# Altium PCB VOU_SOM_CV_V0.0.1.PcbDoc (part 1 of 4)
Units mm, origin at the board's own origin, x right, y up, seen from the top; angles counter-clockwise.
Board outline 61 x 95 mm, 6 copper layers (Top Layer, PWR1, INT1, INT2, PWR2, Bottom Layer), stack 1.205 mm thick; 473 components, 642 nets, 2975 pads, 831 vias.
Unrouted connection lines stored in the file: 1493.
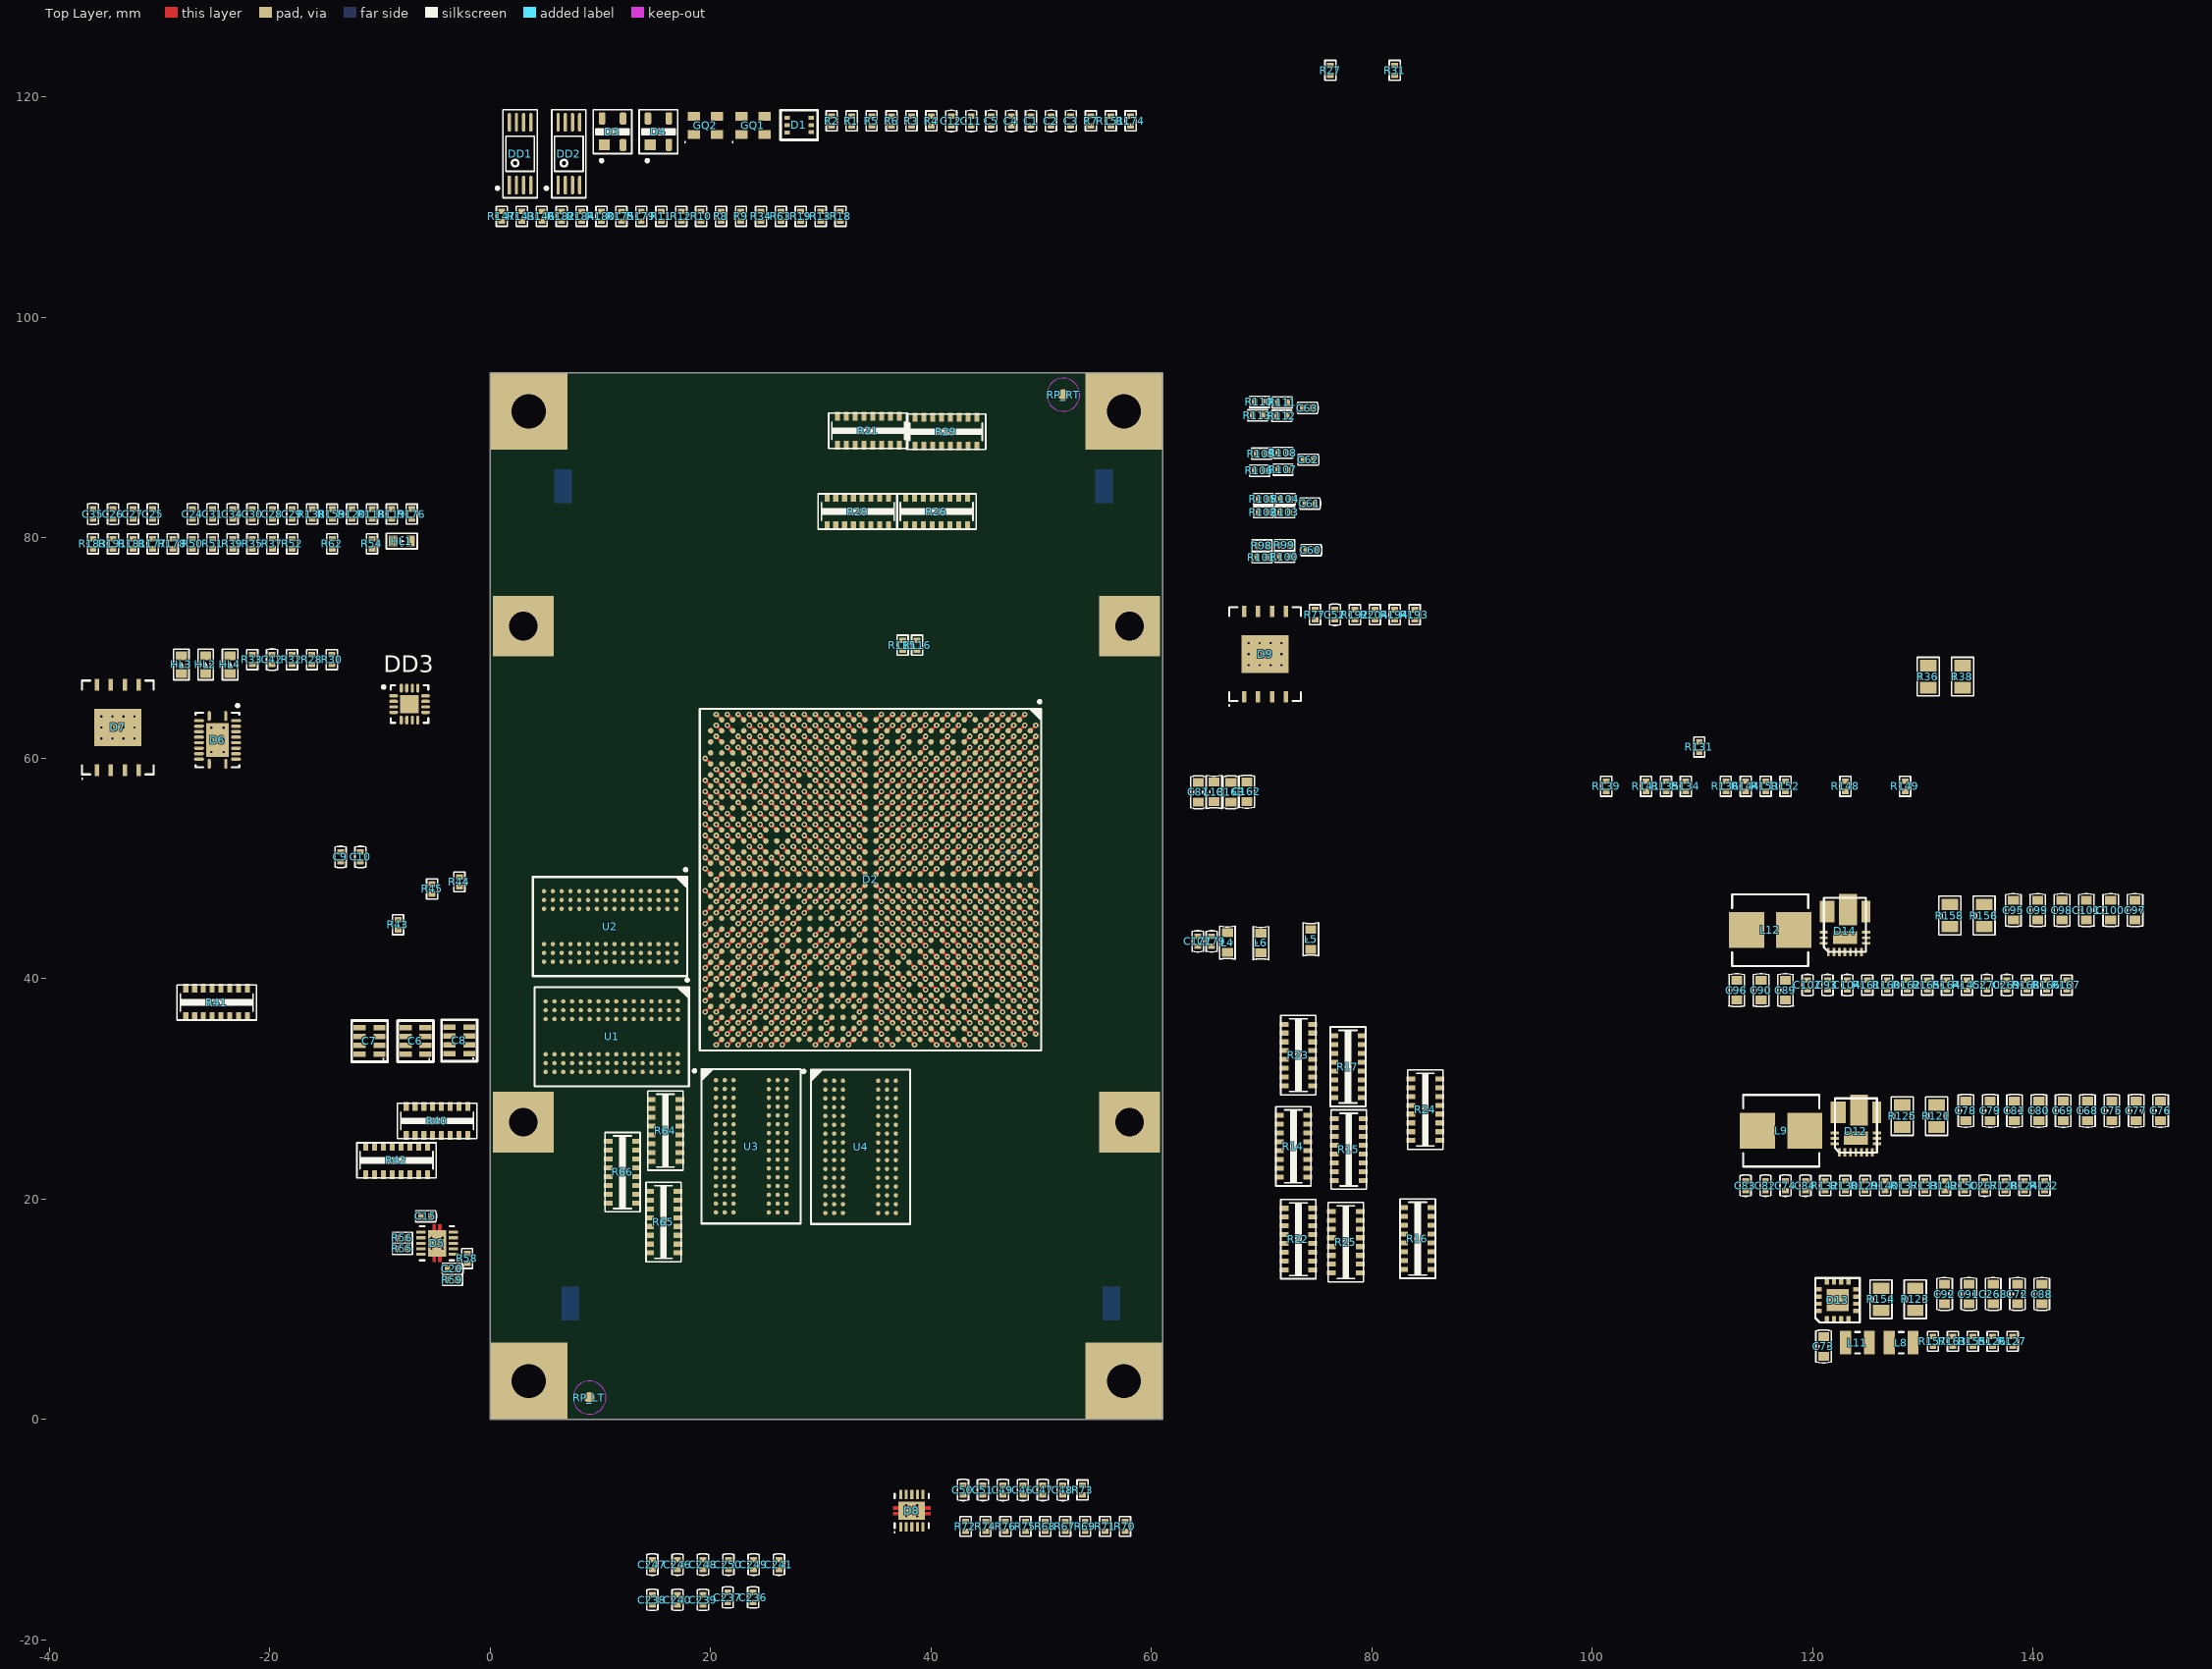
[diagram p0: Top Layer view]
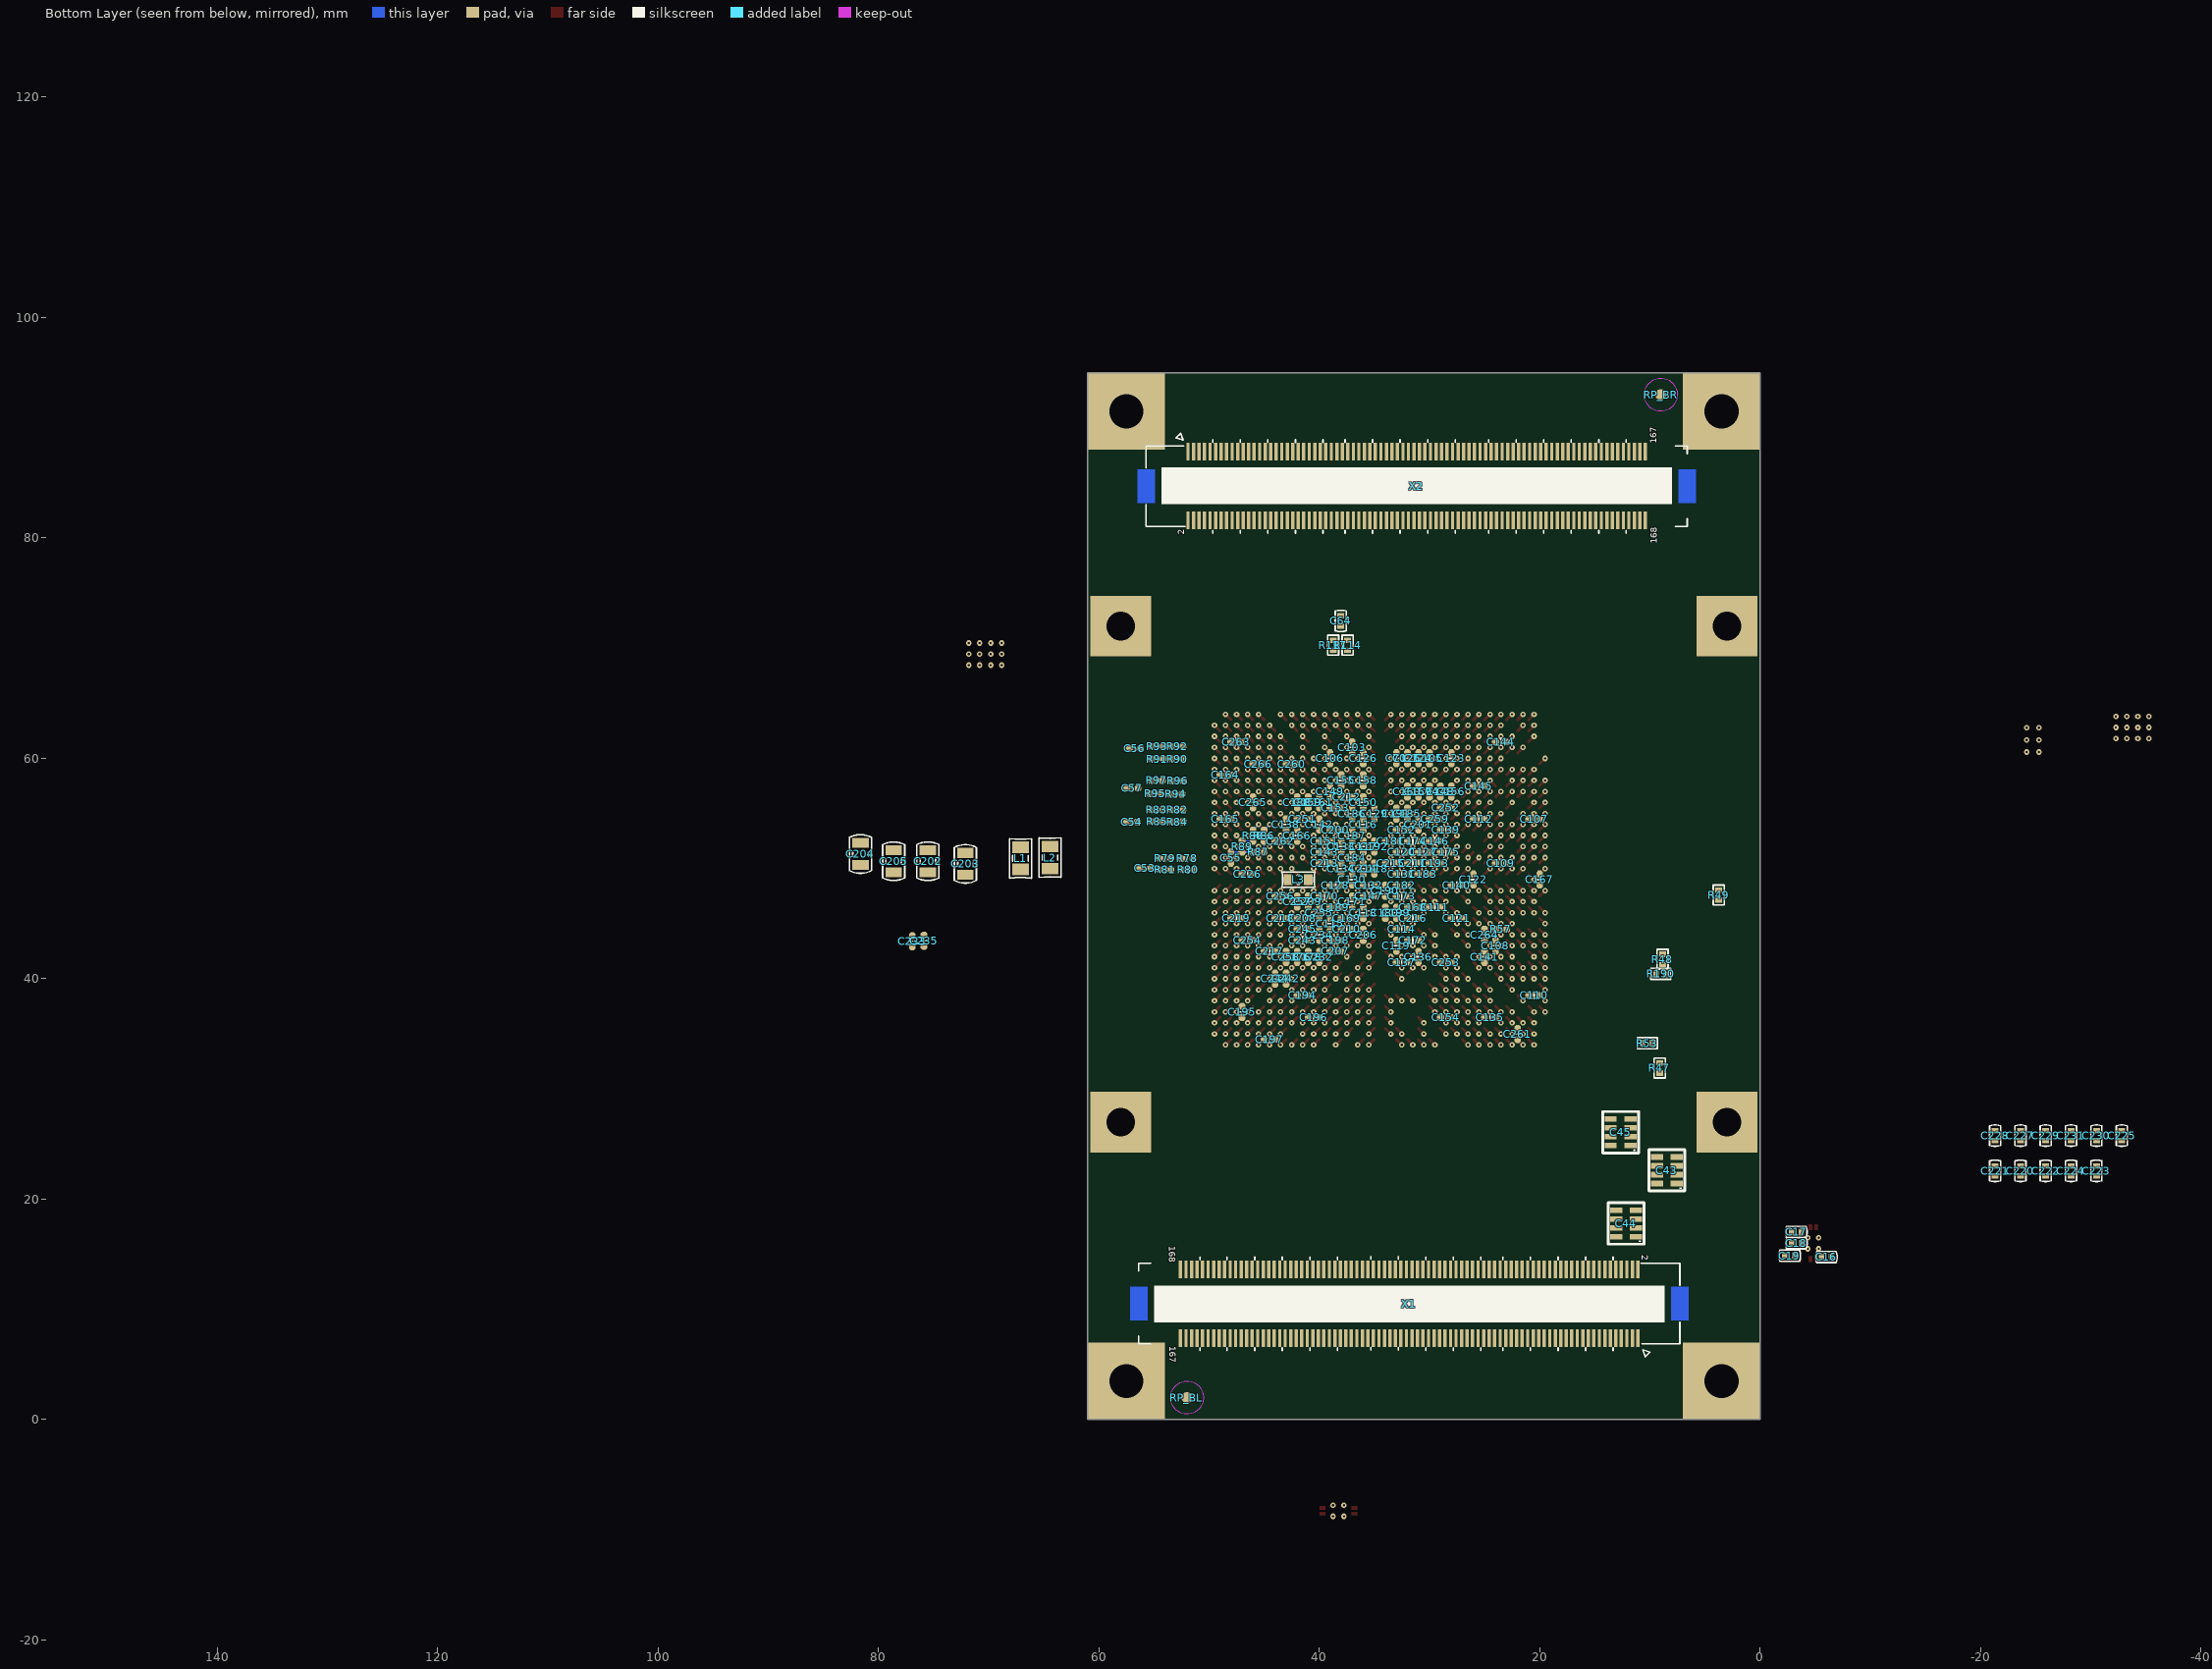
[diagram p1: Bottom Layer view, seen from below]

## Layer stack, top to bottom
Top Solder: solder mask 0.0102, Solder Resist, Dk 3.5
Top Layer: signal copper 0.0356
Dielectric 1: core 0.13, FR-4, Dk 4.2
PWR1: signal copper 0.036
Dielectric 3: prepreg 0.3, Dk 4.2
INT1: signal copper 0.036
Dielectric 4: core 0.13, Dk 4.2
INT2: signal copper 0.036
Dielectric 5: prepreg 0.3, Dk 4.2
PWR2: signal copper 0.036
Dielectric 2: core 0.13, Dk 4.2
Bottom Layer: signal copper 0.0356
Bottom Solder: solder mask 0.0102, Solder Resist, Dk 3.5

## Board outline
0,0 61,0 61,95 0,95

## Design rules (kind name [scope] priority, off if disabled: settings)
Clearance [All] p1: gap=0.11
ComponentClearance [All] p1: gap=0.4 collisioncheckmode=3 verticalgap=0.5 showdistances=FALSE
DiffPairsRouting [All] p1: maxlimit=0.2 minlimit=0.2 mostfreqgap=0.2 toplayer_minwidth=0.1 toplayer_maxwidth=0.1 toplayer_prefwidth=0.1 midlayer1_minwidth=0.1 midlayer1_maxwidth=0.1 midlayer1_prefwidth=0.1 midlayer2_minwidth=0.1 midlayer2_maxwidth=0.1 midlayer2_prefwidth=0.1 midlayer3_minwidth=0.1 midlayer3_maxwidth=0.1 midlayer3_prefwidth=0.1 midlayer4_minwidth=0.1 midlayer4_maxwidth=0.1 midlayer4_prefwidth=0.1 bottomlayer_minwidth=0.1 bottomlayer_maxwidth=0.1 bottomlayer_prefwidth=0.1 maxuncoupledlength=12.7
HoleSize [All] p1: absolutevalues=TRUE maxlimit=3.6 minlimit=0.2 maxpercent=80.000 minpercent=20.000
HoleToHoleClearance [All] p1: gap=0.4 allowstackedmicrovias=TRUE
MinimumSolderMaskSliver [All] p1: minsoldermaskwidth=0.1
PolygonConnect [All] p1: connectstyle=Direct reliefconductorwidth=0.254 reliefentries=4 polygonreliefangle="90 Angle" airgapwidth=0.254
RoutingVias [All] p1: holewidth=0.2 width=0.5 viastyle="Through Hole" minholewidth=0.2 minwidth=0.42 maxholewidth=0.3 maxwidth=0.6
SilkToSilkClearance [All] p1: silktosilkclearance=0.15
SilkToSolderMaskClearance [IsPad] p1: minsilkscreentomaskgap=0.06 clearancetoexposedcopper=TRUE
SolderMaskExpansion [All] p1: expansion=0.05
Width [All] p1: maxlimit=0.25 minlimit=0.15 preferedwidth=0.2
23 further rules are at their usual default settings.

## Classes and differential pairs
component class CLK_src&sys_logic.SchDoc: C1 C2 C3 C4 C5 C11 C12 D1 D3 D4 DD1 DD2 GQ1 GQ2 R1 R2 R3 R4 R5 R6 R7 R8 R9 R10 R11 R12 R13 R18 R19 R34 R63 R143 R146 R147 R151 R174 R175 R179 R180 R182 R184
component class Conn_A.SchDoc: R14 R15 R16 R17 R22 R23 R24 R25 X1
component class Conn_B.SchDoc: R20 R21 R26 R27 R29 R31 X2
component class DIMS_DSP_MainBoard_Interface.SchDoc: C53 C54 C55 C56 C57 C60 C61 C62 C63 C64 R78 R79 R80 R81 R82 R83 R84 R85 R86 R87 R88 R89 R90 R91 R92 R93 R94 R95 R96 R97 R98 R99 R100 R101 R102 R103 R104 R105 R106 R107 R108 R109 R110 R111 R112 R113 R114 R115 R116 R117
component class FPGA_DDR3&IO.SchDoc: C6 C7 C8 C15 C16 C17 C18 C19 C20 D5 R40 R41 R42 R47 R48 R49 R53 R55 R56 R57 R58 R59 R190 U1 U2
component class FPGA_IOs.SchDoc: C9 C10 C24 C25 C26 C27 C28 C29 C30 C31 C34 C35 C42 D2 D6 D7 DD3 HL1 HL2 HL3 HL4 R28 R30 R32 R33 R35 R37 R39 R43 R44 R45 R50 R51 R52 R54 R62 R118 R119 R120 R138 R159 R176 R177 R178 R181 R183 R191
component class HPS_DDR3.SchDoc: C43 C44 C45 C46 C47 C48 C49 C50 C51 D8 R64 R65 R66 R67 R68 R69 R70 R71 R72 R73 R74 R75 R76 U3 U4
component class HPS_IOs.SchDoc: C52 D9 R77 R192 R193 R194 R204
component class SoC_pwr_1.SchDoc: C70 C87 C94 C103 C105 C106 C107 C108 C109 C110 C111 C112 C113 C114 C115 C116 C117 C118 C119 C120 C121 C122 C123 C124 C125 C126 C127 C128 C129 C130 C131 C132 C133 C134 C135 C136 C137 C138 C139 C140 C141 C142 C143 C144 C145 C146 C147 C148 C149 C150 C151 C152 C153 C154 C155 C156 C157 C158 C159 C160 C161 C162 C163 C164 C165 C166 C167 C168 C169 C170 C171 C172 C173 C174 C175 C176 C177 C178 C179 C180 C181 C182 C183 C184 C185 C186 C187 C188 C189 C190 C191 C192 C193 C194 C195 C196 C197 C198 C199 C200 C201 C202 C203 C204 C205 C206 C207 C208 C209 C210 C211 C212 C213 C214 C215 C216 C217 C218 C219 C220 C221 C222 C223 C224 C225 C226 C227 C228 C229 C230 C231 C232 C233 C234 C235 C236 C237 C238 C239 C240 C241 C242 C243 C244 C245 C246 C247 C248 C249 C250 C251 C252 C253 C254 C255 C256 C257 C258 C259 C260 C261 C262 C263 C264 C265 C266 L1 L2 L3 L4 L5 L6 L13
component class SoC_pwr_2.SchDoc: C68 C69 C72 C73 C74 C75 C76 C77 C78 C79 C80 C81 C82 C83 C84 C88 C89 C90 C91 C92 C93 C95 C96 C97 C98 C99 C100 C101 C102 C104 C267 C268 C269 C270 D12 D13 D14 L8 L9 L11 L12 R36 R38 R121 R122 R123 R124 R125 R126 R127 R128 R129 R130 R131 R132 R133 R134 R135 R136 R137 R139 R140 R141 R142 R144 R145 R148 R149 R150 R152 R153 R154 R155 R156 R157 R158 R160 R161 R162 R163 R164 R165 R166 R167 R168
component class VOU_SOM_CV_V0.0.1: RP_BL RP_BR RP_LT RP_RT
net class DDR_A_FPGA: FPGA_DDR_A0 FPGA_DDR_A1 FPGA_DDR_A2 FPGA_DDR_A3 FPGA_DDR_A4 FPGA_DDR_A5 FPGA_DDR_A6 FPGA_DDR_A7 FPGA_DDR_A8 FPGA_DDR_A9 FPGA_DDR_A10 FPGA_DDR_A11 FPGA_DDR_A12 FPGA_DDR_A13 FPGA_DDR_A14 FPGA_DDR_BA0 FPGA_DDR_BA1 FPGA_DDR_BA2 FPGA_DDR_CAS# FPGA_DDR_CK_H_N FPGA_DDR_CK_H_P FPGA_DDR_CKE FPGA_DDR_CS# FPGA_DDR_DM0 FPGA_DDR_DM1 FPGA_DDR_DM2 FPGA_DDR_DM3 FPGA_DDR_ODT FPGA_DDR_RAS# FPGA_DDR_WE#
net class DDR_D1_FPGA: FPGA_DDR_D0 FPGA_DDR_D1 FPGA_DDR_D2 FPGA_DDR_D3 FPGA_DDR_D4 FPGA_DDR_D5 FPGA_DDR_D6 FPGA_DDR_D7 FPGA_DDR_D8 FPGA_DDR_D9 FPGA_DDR_D10 FPGA_DDR_D11 FPGA_DDR_D12 FPGA_DDR_D13 FPGA_DDR_D14 FPGA_DDR_D15
net class DDR_D2_FPGA: FPGA_DDR_D16 FPGA_DDR_D17 FPGA_DDR_D18 FPGA_DDR_D19 FPGA_DDR_D20 FPGA_DDR_D21 FPGA_DDR_D22 FPGA_DDR_D23 FPGA_DDR_D24 FPGA_DDR_D25 FPGA_DDR_D26 FPGA_DDR_D27 FPGA_DDR_D28 FPGA_DDR_D29 FPGA_DDR_D30 FPGA_DDR_D31
net class DDR_DQS_FPGA: FPGA_DDR_DQS0_N FPGA_DDR_DQS0_P FPGA_DDR_DQS1_N FPGA_DDR_DQS1_P FPGA_DDR_DQS2_N FPGA_DDR_DQS2_P FPGA_DDR_DQS3_N FPGA_DDR_DQS3_P
net class DDR_HPS_A: HPS_DDR_A0 HPS_DDR_A1 HPS_DDR_A2 HPS_DDR_A3 HPS_DDR_A4 HPS_DDR_A5 HPS_DDR_A6 HPS_DDR_A7 HPS_DDR_A8 HPS_DDR_A9 HPS_DDR_A10 HPS_DDR_A11 HPS_DDR_A12 HPS_DDR_A13 HPS_DDR_A14 HPS_DDR_BA0 HPS_DDR_BA1 HPS_DDR_BA2 HPS_DDR_CAS# HPS_DDR_CK_H_N HPS_DDR_CK_H_P HPS_DDR_CKE HPS_DDR_CS# HPS_DDR_DM0 HPS_DDR_DM1 HPS_DDR_DM2 HPS_DDR_DM3 HPS_DDR_ODT HPS_DDR_RAS# HPS_DDR_WE#
net class DDR_DQS_HPS: HPS_DDR_DQS0_N HPS_DDR_DQS0_P HPS_DDR_DQS1_N HPS_DDR_DQS1_P HPS_DDR_DQS2_N HPS_DDR_DQS2_P HPS_DDR_DQS3_N HPS_DDR_DQS3_P
differential pair FPGA_DDR_CK_H: +FPGA_DDR_CK_H_P -FPGA_DDR_CK_H_N
differential pair FPGA_DDR_DQS0: +FPGA_DDR_DQS0_P -FPGA_DDR_DQS0_N
differential pair FPGA_DDR_DQS1: +FPGA_DDR_DQS1_P -FPGA_DDR_DQS1_N
differential pair FPGA_DDR_DQS2: +FPGA_DDR_DQS2_P -FPGA_DDR_DQS2_N
differential pair FPGA_DDR_DQS3: +FPGA_DDR_DQS3_P -FPGA_DDR_DQS3_N
differential pair GXB_REF_CKI: +GXB_REF_CKI_P -GXB_REF_CKI_N
differential pair GXB_REF_CKO: +GXB_REF_CKO_P -GXB_REF_CKO_N
differential pair GXB_RXA0: +GXB_RXA0_P -GXB_RXA0_N
differential pair GXB_RXA1: +GXB_RXA1_P -GXB_RXA1_N
differential pair GXB_RXA2: +GXB_RXA2_P -GXB_RXA2_N
differential pair GXB_RXA3: +GXB_RXA3_P -GXB_RXA3_N
differential pair GXB_TXA0: +GXB_TXA0_P -GXB_TXA0_N
differential pair GXB_TXA1: +GXB_TXA1_P -GXB_TXA1_N
differential pair GXB_TXA2: +GXB_TXA2_P -GXB_TXA2_N
differential pair GXB_TXA3: +GXB_TXA3_P -GXB_TXA3_N
differential pair GXB_TXA_C0: +GXB_TXA_C0_P -GXB_TXA_C0_N
differential pair GXB_TXA_C1: +GXB_TXA_C1_P -GXB_TXA_C1_N
differential pair GXB_TXA_C2: +GXB_TXA_C2_P -GXB_TXA_C2_N
differential pair GXB_TXA_C3: +GXB_TXA_C3_P -GXB_TXA_C3_N
differential pair HPS_DDR_CK_H: +HPS_DDR_CK_H_P -HPS_DDR_CK_H_N
differential pair HPS_DDR_DQS0: +HPS_DDR_DQS0_P -HPS_DDR_DQS0_N
differential pair HPS_DDR_DQS1: +HPS_DDR_DQS1_P -HPS_DDR_DQS1_N
differential pair HPS_DDR_DQS2: +HPS_DDR_DQS2_P -HPS_DDR_DQS2_N
differential pair HPS_DDR_DQS3: +HPS_DDR_DQS3_P -HPS_DDR_DQS3_N
differential pair LVDS0_CKI: +LVDS0_CKI_P -LVDS0_CKI_N
differential pair LVDS0_CKO: +LVDS0_CKO_P -LVDS0_CKO_N
differential pair LVDS0_RX0: +LVDS0_RX0_P -LVDS0_RX0_N
differential pair LVDS0_RX1: +LVDS0_RX1_P -LVDS0_RX1_N
differential pair LVDS0_RX2: +LVDS0_RX2_P -LVDS0_RX2_N
differential pair LVDS0_RX3: +LVDS0_RX3_P -LVDS0_RX3_N
differential pair LVDS0_TX0: +LVDS0_TX0_P -LVDS0_TX0_N
differential pair LVDS0_TX1: +LVDS0_TX1_P -LVDS0_TX1_N
differential pair LVDS0_TX2: +LVDS0_TX2_P -LVDS0_TX2_N
differential pair LVDS0_TX3: +LVDS0_TX3_P -LVDS0_TX3_N
differential pair LVDS1_CKI: +LVDS1_CKI_P -LVDS1_CKI_N
differential pair LVDS1_CKO: +LVDS1_CKO_P -LVDS1_CKO_N
differential pair LVDS1_RX0: +LVDS1_RX0_P -LVDS1_RX0_N
differential pair LVDS1_RX1: +LVDS1_RX1_P -LVDS1_RX1_N
differential pair LVDS1_RX2: +LVDS1_RX2_P -LVDS1_RX2_N
differential pair LVDS1_RX3: +LVDS1_RX3_P -LVDS1_RX3_N
differential pair LVDS1_TX0: +LVDS1_TX0_P -LVDS1_TX0_N
differential pair LVDS1_TX1: +LVDS1_TX1_P -LVDS1_TX1_N
differential pair LVDS1_TX2: +LVDS1_TX2_P -LVDS1_TX2_N
differential pair LVDS1_TX3: +LVDS1_TX3_P -LVDS1_TX3_N
differential pair MIPI_CSI_CKA_HS: +MIPI_CSI_CKA_HS_P -MIPI_CSI_CKA_HS_N
differential pair MIPI_CSI_CKB_HS: +MIPI_CSI_CKB_HS_P -MIPI_CSI_CKB_HS_N
differential pair MIPI_CSI_DA0_HS: +MIPI_CSI_DA0_HS_P -MIPI_CSI_DA0_HS_N
differential pair MIPI_CSI_DA1_HS: +MIPI_CSI_DA1_HS_P -MIPI_CSI_DA1_HS_N
differential pair MIPI_CSI_DA2_HS: +MIPI_CSI_DA2_HS_P -MIPI_CSI_DA2_HS_N
differential pair MIPI_CSI_DA3_HS: +MIPI_CSI_DA3_HS_P -MIPI_CSI_DA3_HS_N
differential pair MIPI_CSI_DB0_HS: +MIPI_CSI_DB0_HS_P -MIPI_CSI_DB0_HS_N
differential pair MIPI_CSI_DB1_HS: +MIPI_CSI_DB1_HS_P -MIPI_CSI_DB1_HS_N
differential pair MIPI_CSI_DB2_HS: +MIPI_CSI_DB2_HS_P -MIPI_CSI_DB2_HS_N
differential pair MIPI_CSI_DB3_HS: +MIPI_CSI_DB3_HS_P -MIPI_CSI_DB3_HS_N

## Components (designator, comment, footprint, x,y, rotation, side; value= is the part's Value field where it differs from the comment)
C1 "CC0402-X7R-0,1 мкФ-20%-10В" CC0402(1005) 49.067,117.842 r90 top
C2 "CC0402-X7R-0,01 мкФ-10%-50В" CC0402(1005) 50.875,117.842 r90 top
C3 "CC0402-X7R-0,1 мкФ-20%-10В" CC0402(1005) 52.683,117.842 r90 top
C4 "CC0402-X7R-0,01 мкФ-10%-50В" CC0402(1005) 47.259,117.842 r90 top
C5 "CC0402-X7R-0,1 мкФ-20%-10В" CC0402(1005) 45.451,117.842 r90 top
C6 "W3A4YC104KAT2A" CAF-80P319X159-8N -6.775,34.35 r180 top
C7 "W3A4YC104KAT2A" CAF-80P319X159-8N -10.95,34.35 r180 top
C8 "W3A4YC104KAT2A" CAF-80P319X159-8N -2.8,34.4 r180 top
C9 "CC0402-X7R-0,1 мкФ-20%-10В" CC0402(1005) -13.587,51.058 r270 top
C10 "CC0402-X7R-0,1 мкФ-20%-10В" CC0402(1005) -11.779,51.058 r270 top
C11 "CC0402-X7R-0,01 мкФ-10%-50В" CC0402(1005) 43.643,117.842 r90 top
C12 "CC0402-X7R-0,01 мкФ-10%-50В" CC0402(1005) 41.835,117.842 r90 top
C15 "CC0402-X7R-0,1 мкФ-20%-10В" CC0402(1005) -5.85,18.45 r0 top
C16 "CC0402-X5R-22 мкФ-20%-6.3В" CC0402(1005) -6.025,14.75 r0 bottom
C17 "CC0402-X5R-22 мкФ-20%-6.3В" CC0402(1005) -3.3,17.025 r180 bottom
C18 "CC0402-X5R-22 мкФ-20%-6.3В" CC0402(1005) -3.3,16 r180 bottom
C19 "CC0402-X5R-22 мкФ-20%-6.3В" CC0402(1005) -2.7,14.875 r180 bottom
C20 "CC0402-NP01000 пФ-1%-50В" CC0402(1005) -3.425,13.675 r180 top
C24 "CC0402-X7R-0,1 мкФ-20%-10В" CC0402(1005) -27.006,82.179 r90 top
C25 "CC0402-X7R-0,1 мкФ-20%-10В" CC0402(1005) -30.622,82.179 r90 top
C26 "CC0402-X7R-0,1 мкФ-20%-10В" CC0402(1005) -34.238,82.179 r90 top
C27 "CC0402-X7R-0,1 мкФ-20%-10В" CC0402(1005) -32.43,82.179 r90 top
C28 "CC0402-X7R-0,1 мкФ-20%-10В" CC0402(1005) -19.774,82.179 r90 top
C29 "CC0402-X7R-0,1 мкФ-20%-10В" CC0402(1005) -17.966,82.179 r90 top
C30 "CC0402-X7R-0,1 мкФ-20%-10В" CC0402(1005) -21.582,82.179 r90 top
C31 "CC0402-X7R-0,1 мкФ-20%-10В" CC0402(1005) -25.198,82.179 r90 top
C34 "CC0402-X7R-0,1 мкФ-20%-10В" CC0402(1005) -23.39,82.179 r90 top
C35 "CC0402-X7R-0,1 мкФ-20%-10В" CC0402(1005) -36.046,82.179 r90 top
C42 "CC0402-X7R-0,1 мкФ-20%-10В" CC0402(1005) -19.798,68.967 r90 top
C43 "W3A4YC104KAT2A" CAF-80P319X159-8N 8.45,22.625 r0 bottom
C44 "W3A4YC104KAT2A" CAF-80P319X159-8N 12.15,17.8 r0 bottom
C45 "W3A4YC104KAT2A" CAF-80P319X159-8N 12.65,26.075 r0 bottom
C46 "CC0402-X7R-0,1 мкФ-20%-10В" CC0402(1005) 48.322,-6.383 r90 top
C47 "CC0402-X5R-4.7 мкФ-20%-6.3В" CC0402(1005) 50.13,-6.383 r90 top
C48 "CC0402-X5R-22 мкФ-20%-6.3В" CC0402(1005) 51.938,-6.383 r90 top
C49 "CC0402-X5R-22 мкФ-20%-6.3В" CC0402(1005) 46.514,-6.383 r90 top
C50 "CC0402-X5R-22 мкФ-20%-6.3В" CC0402(1005) 42.898,-6.383 r90 top
C51 "CC0402-NP01000 пФ-1%-50В" CC0402(1005) 44.706,-6.383 r90 top
C52 "CC0402-X7R-0,1 мкФ-20%-10В" CC0402(1005) 76.645,73.042 r90 top
C53 "CC0402-NP0-100 пФ-1%-50В" CC0402(1005)_OCT 55.8,50.05 r180 bottom
C54 "CC0402-NP0-100 пФ-1%-50В" CC0402(1005)_OCT 57.025,54.225 r180 bottom
C55 "CC0402-NP0-100 пФ-1%-50В" CC0402(1005)_OCT 48,51 r90 bottom
C56 "CC0402-NP0-100 пФ-1%-50В" CC0402(1005)_OCT 56.725,60.9 r180 bottom
C57 "CC0402-NP0-100 пФ-1%-50В" CC0402(1005)_OCT 56.95,57.3 r180 bottom
C60 "CC0402-NP0-100 пФ-1%-50В" CC0402(1005) 74.475,78.9 r180 top
C61 "CC0402-NP0-100 пФ-1%-50В" CC0402(1005) 74.375,83.125 r180 top
C62 "CC0402-NP0-100 пФ-1%-50В" CC0402(1005) 74.225,87.1 r180 top
C63 "CC0402-NP0-100 пФ-1%-50В" CC0402(1005) 74.15,91.8 r180 top
C64 "CC0402-NP0-100 пФ-1%-50В" CC0402(1005) 38.05,72.475 r270 bottom
C68 "CC0603-X5R-47 мкФ-20%-6,3В" CC0603 144.929,28.025 r90 top
C69 "CC0603-X5R-47 мкФ-20%-6,3В" CC0603 142.721,28.025 r90 top
C70 "CC0402-X7R-0,1 мкФ-20%-10В" CC0402(1005)_OCT 33,60 r270 bottom
C72 "CC0603-X5R-22 мкФ-20%-6,3В" CC0603 138.58,11.4 r90 top
C73 "CC0603-X5R-22 мкФ-20%-6,3В" CC0603 120.979,6.638 r90 top